# Allegro board HI3516ADMEB_VER_C_PCB.brd (continued)
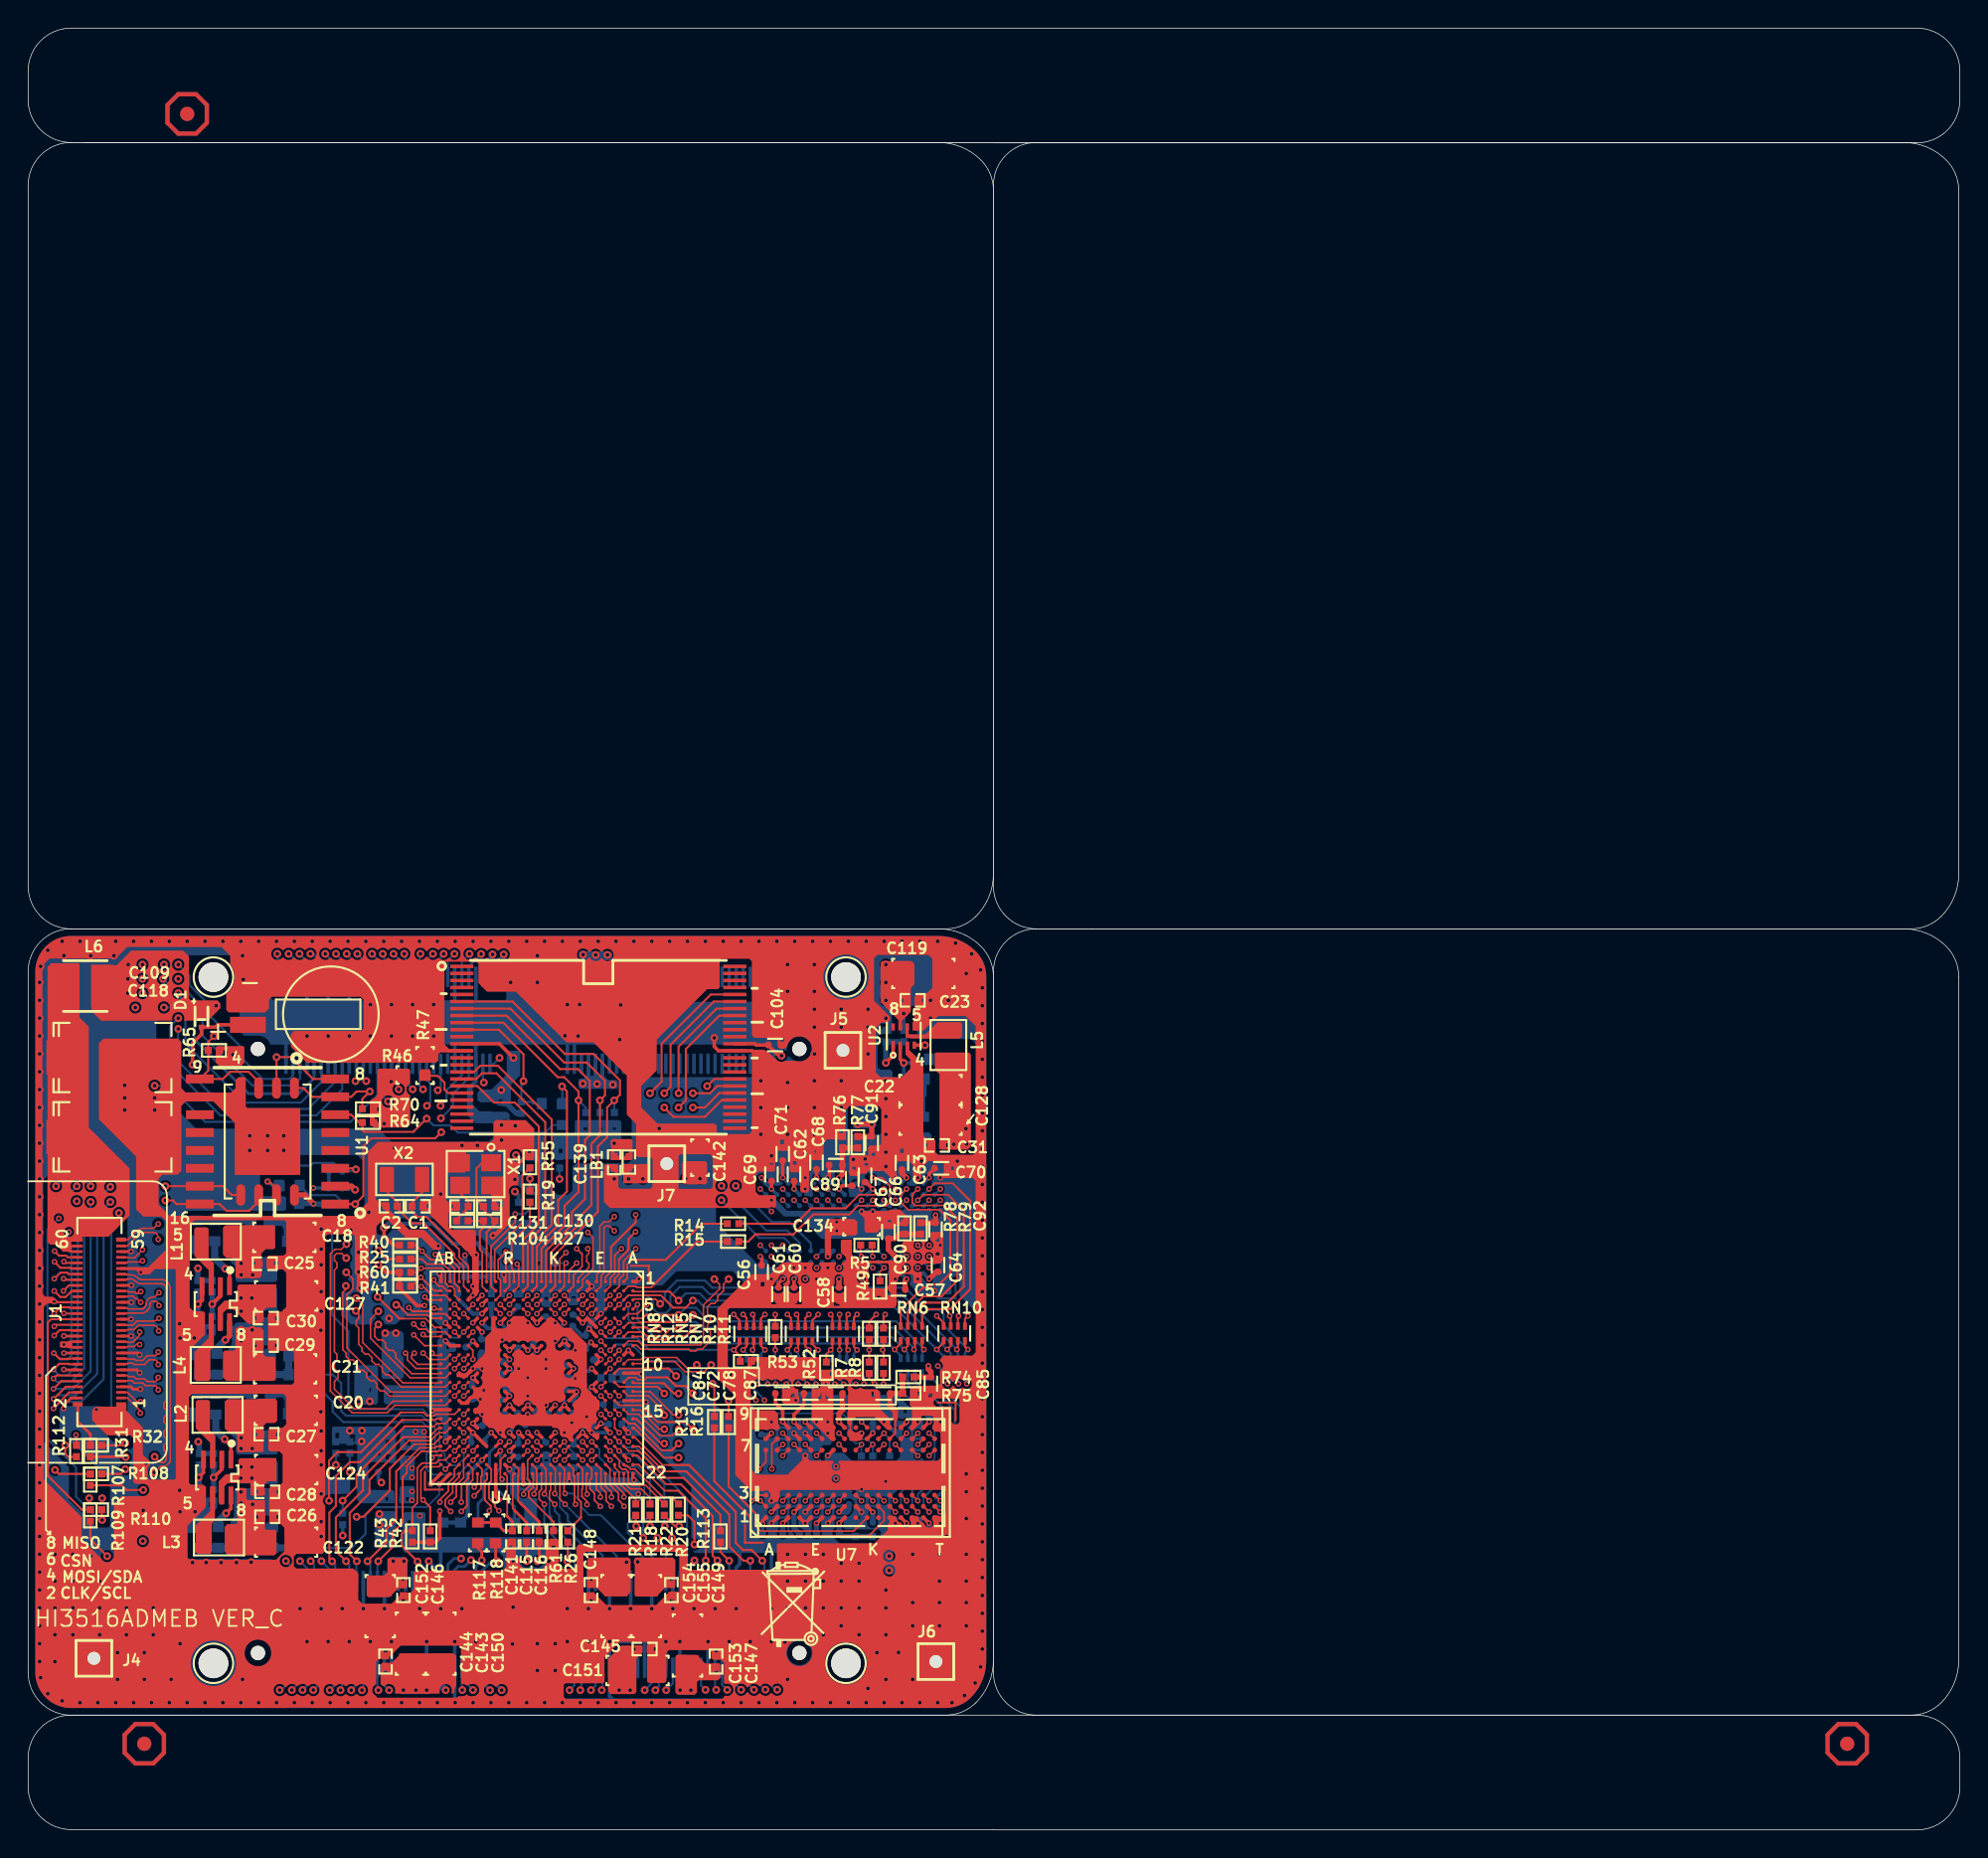
[diagram p0: board, top side]
## Routing (per net, layer and track width the routed paths; a pad name or vN(x,y) marks a point on that pad's centre or on a via; arc(x,y) is an arc through that point) (continued)
MIPI0_D2M/VI_DAT6: length 33.4
  TOP w0.114: v1(24.89,35.91) 24.63,35.65 24.63,35.06 24.88,34.81 25.18,34.81 25.4,34.6 25.4,34.29 25.61,34.08 25.91,34.08 26.13,33.86 26.13,33.56 27.27,32.42 29.3,32.42 U4.AB11 ; J1.27 7.05,35.49 7.11,35.56 7.54,35.56 7.85,35.86 8.86,35.86 arc(9.15,35.74) v2(9.27,35.46)
  ART06 w0.102: v1(24.89,35.91) 24.89,36.22 24.79,36.32 24.28,36.32 23.98,36.01 23.48,36.01 23.33,35.86 23.07,35.86 22.92,36.01 22.67,36.01 22.51,35.86 22.26,35.86 22.11,36.01 21.85,36.01 21.7,35.86 21.45,35.86 21.29,36.01 20.35,36.01 20.18,35.84 19.95,35.84 19.77,36.01 19.54,36.01 19.36,35.84 19.13,35.84 18.96,36.01 18.65,36.01 arc(18.46,36.05) 18.29,36.16 18.27,36.18 arc(18.16,36.35) 18.12,36.54 18.12,37.03 arc(18.28,37.4) 18.64,37.55 18.94,37.55 arc(18.97,37.56) 19,37.58 arc(19,37.58) 19,37.58 19.01,37.58 arc(19.01,37.58) 19.01,37.58 arc(19.01,37.58) 19.01,37.58 19.05,37.63 arc(19.09,37.68) 19.1,37.74 19.1,38.24 arc(19.09,38.32) 19.04,38.39 18.93,38.5 arc(18.87,38.54) 18.79,38.55 17.46,38.55 arc(17.36,38.53) 17.27,38.48 16.93,38.14 arc(16.87,38.05) 16.85,37.95 16.85,37.67 arc(16.8,37.42) 16.66,37.21 16.57,37.12 arc(16.39,37) 16.18,36.95 16.17,36.95 arc(16.1,36.94) 16.03,36.89 16,36.86 arc(15.97,36.82) 15.96,36.78 15.96,36.59 arc(15.92,36.38) 15.8,36.19 15.8,36.19 arc(15.6,36.06) 15.37,36.01 14.94,36.01 arc(14.72,36.06) 14.54,36.18 14.48,36.24 14.25,36.47 13.99,36.47 13.81,36.29 13.56,36.29 13.38,36.47 13.07,36.47 12.9,36.29 12.64,36.29 12.46,36.47 12.1,36.47 11.92,36.29 11.66,36.29 11.49,36.47 10.44,36.47 arc(10.18,36.42) 9.96,36.27 9.27,35.58 v2(9.27,35.46)
MIPI0_D2P/VI_DAT7: length 33.5
  TOP w0.114: U4.AA11 29.66,32.13 27.15,32.13 24.34,34.94 24.34,36.3 v1(24.89,36.85) ; J1.29 7.03,35.89 7.06,35.86 7.44,35.86 7.73,36.15 8.84,36.15 arc(9.09,36.2) v2(9.3,36.34)
  ART06 w0.102: v2(9.3,36.34) 9.6,36.34 9.75,36.49 arc(10.06,36.7) 10.44,36.78 14.38,36.78 14.76,36.39 arc(14.84,36.34) 14.93,36.32 15.37,36.32 arc(15.48,36.34) 15.58,36.41 arc(15.64,36.49) 15.66,36.59 15.66,36.78 arc(15.69,36.94) 15.78,37.08 15.82,37.11 arc(15.98,37.22) 16.17,37.26 arc(16.27,37.28) 16.36,37.33 16.45,37.43 arc(16.52,37.54) 16.55,37.67 16.55,37.95 arc(16.59,38.17) 16.71,38.35 17.06,38.69 arc(17.24,38.82) 17.46,38.86 18.79,38.86 arc(18.98,38.82) 19.15,38.71 19.26,38.6 arc(19.37,38.44) 19.41,38.24 19.41,37.74 arc(19.37,37.57) 19.27,37.42 19.22,37.36 arc(19.09,37.28) 18.94,37.25 18.64,37.25 arc(18.49,37.18) 18.43,37.03 18.43,36.54 arc(18.44,36.47) 18.49,36.4 18.51,36.38 arc(18.57,36.33) 18.65,36.32 23.85,36.32 24.16,36.63 24.67,36.63 v1(24.89,36.85)
MIPI0_D3M/VI_DAT2: length 33.7
  TOP w0.114: U4.W9 v2(30.96,33.43) ; v2(9.25,33.07) 9.25,33.1 arc(9.16,33.32) 8.94,33.41 8.6,33.41 8.26,33.07 7.54,33.07 7.45,33.16 7.07,33.16 7.01,33.09 J1.15
  ART06 w0.102: v2(30.96,33.43) 30.75,33.64 30.75,33.94 30.45,34.25 29.69,34.25 arc(29.44,34.3) 29.23,34.44 29.2,34.47 arc(28.84,34.71) 28.41,34.8 17.85,34.8 17.78,34.87 17.73,34.99 17.73,35.79 arc(17.58,36.15) 17.22,36.29 17.05,36.29 arc(16.69,36.15) 16.55,35.79 16.55,34.78 16.36,34.59 15.96,34.59 arc(15.76,34.55) 15.6,34.44 15.51,34.36 arc(15.48,34.33) 15.44,34.31 15.37,34.28 arc(15.33,34.27) 15.29,34.26 13.91,34.26 arc(13.83,34.28) 13.76,34.33 13.58,34.5 arc(13.54,34.57) 13.52,34.66 13.52,35.28 arc(13.37,35.64) 13.01,35.79 12.84,35.79 arc(12.48,35.64) 12.33,35.28 12.33,34.73 arc(12.32,34.64) 12.27,34.57 12.18,34.49 arc(12.17,34.48) 12.16,34.47 arc(12.1,34.44) 12.03,34.43 10.72,34.43 arc(10.57,34.46) 10.44,34.54 10.42,34.56 arc(10,34.84) 9.52,34.94 9.17,34.94 arc(8.89,34.88) 8.66,34.73 arc(8.59,34.64) 8.53,34.54 arc(8.47,34.37) 8.45,34.19 8.45,33.84 arc(8.59,33.51) 8.92,33.37 9.02,33.37 arc(9.18,33.31) 9.25,33.14 v2(9.25,33.07)
MIPI0_D3P/VI_DAT3: length 33.7
  TOP w0.114: J1.17 7.02,33.49 7.06,33.45 7.57,33.45 7.66,33.36 8.14,33.36 8.48,33.7 8.98,33.7 8.98,33.7 8.99,33.7 arc(9.17,33.78) v2(9.25,33.96) ; U4.Y9 v2(30.31,33.43)
  ART06 w0.102: v2(9.25,33.96) 9.25,33.91 arc(9.18,33.74) 9.02,33.68 8.92,33.68 arc(8.8,33.72) 8.76,33.84 8.76,34.19 arc(8.77,34.31) 8.81,34.42 8.81,34.42 arc(8.84,34.47) 8.88,34.51 arc(9.01,34.6) 9.17,34.63 9.52,34.63 arc(9.89,34.56) 10.2,34.35 10.22,34.33 arc(10.45,34.18) 10.72,34.12 10.91,34.12 11.07,33.97 11.39,33.97 11.54,34.12 12.03,34.12 arc(12.19,34.15) 12.34,34.22 arc(12.37,34.25) 12.4,34.27 12.48,34.36 arc(12.6,34.53) 12.64,34.73 12.64,35.28 arc(12.7,35.42) 12.84,35.48 13.01,35.48 arc(13.15,35.42) 13.21,35.28 13.21,34.66 arc(13.25,34.46) 13.37,34.29 13.55,34.11 arc(13.72,34) 13.91,33.96 15.29,33.96 arc(15.39,33.97) 15.49,34 15.56,34.03 arc(15.65,34.08) 15.73,34.14 15.82,34.23 arc(15.88,34.27) 15.96,34.29 16.4,34.29 arc(16.48,34.3) 16.54,34.35 16.79,34.59 arc(16.83,34.66) 16.85,34.74 16.85,35.79 arc(16.91,35.93) 17.05,35.99 17.22,35.99 arc(17.36,35.93) 17.42,35.79 17.42,34.97 arc(17.43,34.93) 17.44,34.89 17.5,34.73 arc(17.52,34.7) 17.55,34.67 17.66,34.55 arc(17.73,34.51) 17.81,34.49 18.62,34.49 18.8,34.31 19.08,34.31 19.25,34.49 19.53,34.49 19.71,34.31 19.99,34.31 20.17,34.49 20.45,34.49 20.62,34.31 20.9,34.31 21.08,34.49 21.36,34.49 21.54,34.31 21.82,34.31 22,34.49 22.28,34.49 22.45,34.31 22.73,34.31 22.91,34.49 23.19,34.49 23.37,34.31 23.65,34.31 23.82,34.49 24.1,34.49 24.28,34.31 24.56,34.31 24.74,34.49 25.02,34.49 25.2,34.31 25.48,34.31 25.65,34.49 25.93,34.49 26.11,34.31 26.39,34.31 26.57,34.49 26.97,34.49 27.12,34.34 27.43,34.34 27.58,34.49 28.41,34.49 arc(28.72,34.43) 28.98,34.25 29.01,34.22 arc(29.33,34.01) 29.69,33.94 30.32,33.94 30.44,33.82 30.44,33.57 v2(30.31,33.43)
MIPI1_CKM/VI_DAT13: length 42.3
  TOP w0.114: U4.W13 v2(30.96,30.83) ; v1(8.97,25.4) 9.4,25.83 9.77,25.83 10.1,26.15 10.1,38.44 arc(10.04,38.7) 9.9,38.93 arc(9.7,39.06) 9.47,39.1 8.06,39.1 arc(7.95,39.12) 7.85,39.19 arc(7.56,39.38) 7.22,39.45 7.03,39.45 6.99,39.49 J1.47
  ART06 w0.102: v1(8.97,25.4) 9.38,25.81 14.42,25.81 14.91,26.3 17.53,26.3 arc(17.99,26.39) 18.38,26.65 20.31,28.58 arc(20.64,28.8) 21.03,28.88 24.65,28.88 25.64,29.87 arc(26.04,30.14) 26.52,30.24 30.36,30.24 v2(30.96,30.83)
MIPI1_CKP/VI_DAT12: length 42.2
  TOP w0.114: U4.Y13 v2(30.31,30.83) ; J1.45 7.01,39.09 7.08,39.16 7.22,39.16 arc(7.45,39.11) 7.64,38.98 arc(7.83,38.85) 8.06,38.81 9.47,38.81 arc(9.59,38.79) 9.69,38.72 arc(9.77,38.59) 9.8,38.44 9.8,30.47 9.65,30.32 9.65,29.97 9.8,29.82 9.8,29.47 9.65,29.32 9.65,28.98 9.8,28.82 9.8,28.48 9.65,28.33 9.65,27.98 9.8,27.83 9.8,27.48 9.65,27.33 9.65,26.99 9.8,26.83 9.8,26.27 9.65,26.12 9.38,26.12 v1(8.99,26.52)
  ART06 w0.102: v1(8.99,26.52) 9.39,26.12 9.71,26.12 9.88,26.29 10.17,26.29 10.34,26.12 10.62,26.12 10.8,26.29 11.08,26.29 11.25,26.12 11.54,26.12 11.71,26.29 12,26.29 12.17,26.12 12.45,26.12 12.62,26.29 12.91,26.29 13.08,26.12 13.31,26.12 13.46,26.26 13.85,26.26 14,26.12 14.29,26.12 14.78,26.6 17.53,26.6 arc(17.87,26.67) 18.17,26.87 20.09,28.79 arc(20.52,29.08) 21.03,29.18 21.71,29.18 21.92,29.39 22.17,29.39 22.37,29.18 22.63,29.18 22.83,29.39 23.08,29.39 23.29,29.18 23.54,29.18 23.74,29.39 24,29.39 24.2,29.18 24.52,29.18 25.42,30.09 arc(25.93,30.42) 26.52,30.54 30.01,30.54 30.23,30.76 30.23,30.76 v2(30.31,30.83)
MIPI1_D0M/VI_DAT15: length 41.5
  TOP w0.114: v1(22.58,38.66) 22.58,38.42 22.36,38.21 22.36,34.12 22.6,33.89 22.6,33.63 22.84,33.39 23.09,33.39 23.33,33.15 23.33,32.9 23.57,32.66 23.83,32.66 24.07,32.42 24.07,32.17 24.31,31.93 24.56,31.93 24.8,31.69 24.8,31.43 25.04,31.2 25.29,31.2 25.66,30.82 29.65,30.82 U4.AA13 ; J1.53 7.06,40.69 7.1,40.65 7.56,40.65 v2(8.13,41.22)
  ART06 w0.102: v1(22.58,38.66) 22.58,38.91 22.39,39.1 21.99,39.1 21.77,38.88 21.53,38.88 21.32,39.1 20.9,39.1 arc(20.67,39.15) 20.46,39.28 19.6,40.15 arc(19.48,40.32) 19.44,40.52 19.44,41.4 arc(19.38,41.54) 19.24,41.6 19.01,41.6 arc(18.87,41.54) 18.81,41.4 18.81,40.71 arc(18.66,40.35) 18.29,40.19 18.07,40.19 arc(17.7,40.35) 17.55,40.71 17.55,41.55 arc(17.49,41.7) 17.35,41.76 17.13,41.76 arc(16.99,41.7) 16.93,41.55 16.93,40.59 arc(16.78,40.22) 16.41,40.07 16.25,40.07 arc(15.88,40.22) 15.72,40.59 15.72,41.55 arc(15.67,41.7) 15.52,41.76 14.75,41.76 arc(14.61,41.7) 14.55,41.55 14.55,40.89 arc(14.4,40.52) 14.03,40.37 13.9,40.37 arc(13.7,40.41) 13.53,40.52 13.46,40.59 arc(13.46,40.59) 13.46,40.59 arc(13.37,40.72) 13.34,40.88 13.34,41.27 arc(13.28,41.42) 13.14,41.48 12.98,41.48 arc(12.83,41.42) 12.77,41.27 12.77,40.93 arc(12.74,40.77) 12.65,40.64 arc(12.65,40.64) 12.65,40.63 12.63,40.62 arc(12.43,40.48) 12.19,40.43 12.15,40.43 arc(11.92,40.48) 11.72,40.62 11.7,40.63 arc(11.69,40.64) 11.68,40.66 arc(11.6,40.78) 11.57,40.92 11.57,41.04 arc(11.57,41.06) 11.57,41.08 arc(11.5,41.18) 11.39,41.22 11.07,41.22 10.87,41.02 10.56,41.02 10.36,41.22 10.06,41.22 9.85,41.02 9.55,41.02 9.34,41.22 9.04,41.22 arc(8.81,41.27) 8.61,41.4 arc(8.53,41.46) 8.43,41.48 8.36,41.48 arc(8.19,41.41) 8.13,41.25 v2(8.13,41.22)
MIPI1_D0P/VI_DAT14: length 41.5
  TOP w0.114: v1(22.61,39.62) 23.08,39.15 23.08,38.45 22.66,38.03 22.66,34.24 25.25,31.65 25.78,31.12 29.29,31.12 U4.AB13 ; v2(8.13,40.43) 8.05,40.36 7.09,40.36 7.02,40.29 J1.51
  ART06 w0.102: v1(22.61,39.62) 22.39,39.41 20.9,39.41 arc(20.78,39.43) 20.68,39.5 19.81,40.37 arc(19.76,40.44) 19.75,40.52 19.75,41.4 arc(19.6,41.76) 19.24,41.91 19.01,41.91 arc(18.65,41.76) 18.5,41.4 18.5,40.71 arc(18.44,40.56) 18.29,40.5 18.07,40.5 arc(17.92,40.56) 17.86,40.71 17.86,41.55 arc(17.71,41.91) 17.35,42.06 17.13,42.06 arc(16.78,41.91) 16.63,41.55 16.63,40.59 arc(16.56,40.43) 16.41,40.37 16.25,40.37 arc(16.09,40.43) 16.03,40.59 16.03,41.55 arc(15.88,41.91) 15.52,42.06 14.75,42.06 arc(14.39,41.91) 14.25,41.55 14.25,40.89 arc(14.18,40.74) 14.03,40.68 13.9,40.68 arc(13.81,40.69) 13.75,40.74 13.68,40.8 arc(13.68,40.8) 13.68,40.8 arc(13.66,40.84) 13.65,40.88 13.65,41.27 arc(13.5,41.63) 13.14,41.78 12.98,41.78 arc(12.62,41.63) 12.47,41.27 12.47,40.96 arc(12.45,40.89) 12.41,40.83 arc(12.31,40.76) 12.19,40.74 12.15,40.74 arc(12.03,40.76) 11.93,40.83 arc(11.87,40.93) 11.85,41.04 11.85,41.14 arc(11.82,41.27) 11.75,41.38 11.75,41.38 arc(11.58,41.49) 11.39,41.53 9.15,41.53 arc(8.98,41.56) 8.83,41.65 arc(8.69,41.75) 8.53,41.78 8.24,41.78 arc(7.87,41.63) 7.72,41.26 7.72,40.84 arc(7.84,40.55) v2(8.13,40.43)
MIPI1_D1M/VI_DAT11: length 40.2
  TOP w0.114: v2(8,38.25) 7.87,38.12 7.7,38.12 7.59,38.22 7.14,38.22 7.07,38.29 J1.41 ; U4.Y12 v2(30.31,31.48)
  ART06 w0.102: v2(8,38.25) 7.95,38.2 6.75,38.2 arc(6.4,38.13) 6.11,37.93 arc(5.94,37.68) 5.88,37.38 5.88,29.51 arc(5.91,29.35) 5.98,29.2 arc(6.01,29.17) 6.03,29.14 7.83,27.35 arc(8.19,27.11) 8.61,27.02 10.36,27.02 arc(10.79,27.11) 11.14,27.35 11.99,28.19 arc(12.19,28.32) 12.42,28.37 18.39,28.37 arc(18.59,28.41) 18.76,28.52 20.34,30.1 arc(20.47,30.19) 20.62,30.22 20.92,30.22 arc(21.13,30.18) 21.31,30.06 arc(21.47,29.95) 21.67,29.91 22.22,29.91 arc(22.42,29.95) 22.59,30.06 22.67,30.14 arc(22.78,30.31) 22.82,30.51 22.82,30.79 arc(22.84,30.86) 22.88,30.93 22.9,30.95 arc(22.97,31) 23.05,31.01 28.81,31.01 arc(29.11,31.07) 29.36,31.24 29.57,31.44 arc(29.68,31.52) 29.81,31.54 30.25,31.54 v2(30.31,31.48)
MIPI1_D1P/VI_DAT10: length 40.2
  TOP w0.114: U4.W12 v2(30.96,31.48) ; J1.39 7.03,37.89 7.07,37.93 7.45,37.93 7.65,37.74 7.75,37.74 v2(8,37.49)
  ART06 w0.102: v2(30.96,31.48) 30.59,31.85 29.81,31.85 arc(29.56,31.8) 29.35,31.66 29.15,31.46 arc(28.99,31.35) 28.81,31.32 23.05,31.32 arc(22.85,31.28) 22.69,31.17 22.67,31.15 arc(22.56,30.98) 22.52,30.79 22.52,30.51 arc(22.52,30.5) 22.52,30.48 arc(22.49,30.42) 22.45,30.36 22.37,30.27 arc(22.3,30.23) 22.22,30.21 21.67,30.21 arc(21.66,30.21) 21.64,30.21 arc(21.57,30.24) 21.52,30.27 arc(21.25,30.46) 20.92,30.52 20.63,30.52 arc(20.36,30.47) 20.13,30.32 20,30.19 18.55,28.74 arc(18.48,28.69) 18.39,28.67 12.42,28.67 arc(12.07,28.6) 11.77,28.41 10.93,27.56 arc(10.67,27.39) 10.36,27.33 8.61,27.33 arc(8.3,27.39) 8.05,27.56 6.25,29.36 arc(6.24,29.37) 6.23,29.38 arc(6.2,29.44) 6.18,29.51 6.18,37.38 arc(6.22,37.56) 6.32,37.72 arc(6.52,37.85) 6.75,37.89 7.59,37.89 v2(8,37.49)
MIPI1_D2M: length 41.5
  TOP w0.114: v2(9.25,43.06) 9.05,42.86 arc(9,42.81) 8.94,42.78 arc(8.86,42.76) 8.79,42.75 8.25,42.75 arc(7.92,42.69) 7.64,42.5 7.09,41.94 J1.59 ; v1(22.62,41.63) 22.25,41.25 21.8,41.25 21.48,40.93 21.48,31.2 23.04,29.64 25.53,29.64 26.06,30.17 29.65,30.17 U4.AA14
  ART06 w0.102: v1(22.62,41.63) 22.37,41.37 21.87,41.37 21.07,42.17 20.56,42.17 19.62,43.11 14.47,43.11 arc(14.35,43.16) 14.3,43.28 14.3,43.41 arc(14.15,43.77) 13.79,43.91 13.51,43.91 arc(13.15,43.77) 13,43.41 13,42.82 arc(12.93,42.67) 12.78,42.61 12.62,42.61 arc(12.46,42.67) 12.4,42.82 12.4,43.41 arc(12.25,43.77) 11.89,43.91 11.73,43.91 arc(11.37,43.77) 11.22,43.41 11.22,42.98 arc(11.19,42.85) 11.12,42.74 arc(10.99,42.66) 10.85,42.63 9.67,42.63 v2(9.25,43.06)
MIPI1_D2P/VI_CLK: length 41.5
  TOP w0.114: J1.57 7.05,41.49 7.82,42.26 7.85,42.29 arc(8.04,42.42) 8.25,42.46 8.89,42.46 arc(9.01,42.43) 9.12,42.36 arc(9.21,42.22) 9.25,42.06 v2(9.25,41.96) ; U4.AB14 29.29,30.47 25.94,30.47 25.41,29.93 23.16,29.93 21.77,31.32 21.77,31.86 22.02,32.12 22.02,32.51 21.77,32.76 21.77,33.17 21.95,33.35 21.95,33.8 21.77,33.98 21.77,39.78 21.95,39.96 21.95,40.3 21.77,40.48 21.77,40.81 21.92,40.96 22.28,40.96 v1(22.61,40.64)
  ART06 w0.102: v1(22.61,40.64) 22.18,41.07 21.74,41.07 20.94,41.87 20.43,41.87 20.23,42.07 20.03,42.07 19.79,42.31 19.79,42.52 19.49,42.81 19.15,42.81 18.96,42.62 18.69,42.62 18.5,42.81 18.23,42.81 18.04,42.62 17.78,42.62 17.59,42.81 17.28,42.81 17.09,42.62 16.87,42.62 16.68,42.81 16.47,42.81 16.28,42.62 16.06,42.62 15.87,42.81 15.66,42.81 15.46,42.62 15.25,42.62 15.06,42.81 14.47,42.81 arc(14.13,42.95) 14,43.28 14,43.41 arc(13.94,43.55) 13.79,43.61 13.51,43.61 arc(13.36,43.55) 13.3,43.41 13.3,42.82 arc(13.15,42.45) 12.78,42.3 12.62,42.3 arc(12.25,42.45) 12.1,42.82 12.1,43.41 arc(12.04,43.55) 11.89,43.61 11.73,43.61 arc(11.58,43.55) 11.52,43.41 11.52,42.98 arc(11.48,42.73) 11.34,42.53 arc(11.11,42.38) 10.85,42.32 9.61,42.32 v2(9.25,41.96)
MIPI1_D3M/VI_DAT9: length 39.9
  TOP w0.114: v2(9.3,38.17) 9.06,37.94 arc(8.97,37.88) 8.86,37.86 arc(8.52,37.71) 8.38,37.37 8.38,37.36 arc(8.36,37.24) 8.29,37.14 8.22,37.07 arc(8.16,37.03) 8.09,37.02 7.1,37.02 7.03,37.09 J1.35 ; U4.AA12 29.65,31.47 26.52,31.47 25.65,32.34 25.6,32.34 25.41,32.34 25.17,32.59 25.17,32.83 24.92,33.08 24.86,33.08 24.68,33.08 24.43,33.32 24.43,33.56 24.19,33.81 24.13,33.81 23.95,33.81 23.72,34.03 23.72,34.27 23.49,34.5 23.49,35.67 23.32,35.85 23.32,36.17 23.49,36.35 23.49,36.68 v1(23.29,36.88)
  ART06 w0.102: v2(9.3,38.17) 9.3,38.12 arc(9.21,37.91) 8.99,37.82 arc(8.83,37.89) 8.76,38.05 8.76,39.61 arc(8.88,39.89) 9.15,40 9.49,40 arc(9.69,39.96) 9.86,39.85 arc(9.94,39.72) 9.97,39.57 9.97,37.77 arc(10.12,37.41) 10.48,37.26 10.78,37.26 arc(11.14,37.41) 11.29,37.77 11.29,38.97 arc(11.34,39.08) 11.45,39.13 11.81,39.13 arc(11.88,39.11) 11.94,39.08 arc(12,39.01) 12.03,38.91 12.03,38.33 arc(12.18,37.97) 12.53,37.82 12.73,37.82 arc(13.08,37.97) 13.23,38.33 13.23,38.83 arc(13.3,38.99) 13.45,39.05 13.7,39.05 arc(13.86,38.99) 13.92,38.83 13.92,38.78 arc(13.97,38.55) 14.09,38.36 14.09,38.36 arc(14.1,38.35) 14.11,38.34 arc(14.28,38.24) 14.48,38.2 14.64,38.2 arc(14.85,38.24) 15.03,38.36 15.15,38.48 15.2,38.53 arc(15.31,38.6) 15.44,38.63 16.1,38.63 arc(16.26,38.66) 16.4,38.75 16.96,39.32 arc(17.03,39.36) 17.12,39.38 19.13,39.38 arc(19.23,39.36) 19.32,39.3 19.84,38.78 arc(19.88,38.73) 19.89,38.67 19.89,37.93 arc(19.93,37.73) 20.04,37.56 20.05,37.56 arc(20.23,37.44) 20.45,37.39 20.85,37.39 arc(21.11,37.34) 21.32,37.19 21.44,37.08 arc(22.01,36.85) 22.58,37.08 arc(22.72,37.18) 22.89,37.21 arc(22.96,37.19) 23.02,37.15 v1(23.29,36.88)
MIPI1_D3P/VI_DAT8: length 40
  TOP w0.114: v1(23.32,37.79) 23.79,37.32 23.79,34.62 24.05,34.36 26.41,32 26.64,31.77 29.29,31.77 U4.AB12 ; J1.33 7.03,36.69 7.06,36.73 8.09,36.73 arc(8.27,36.76) 8.43,36.87 8.5,36.94 arc(8.63,37.13) 8.67,37.36 8.67,37.37 arc(8.73,37.51) 8.86,37.56 8.99,37.56 arc(9.21,37.47) v2(9.3,37.26)
  ART06 w0.102: v1(23.32,37.79) 23.09,37.57 arc(23.03,37.53) 22.96,37.51 22.9,37.51 arc(22.89,37.51) 22.89,37.51 arc(22.6,37.46) 22.37,37.3 arc(22.01,37.15) 21.65,37.3 21.54,37.41 arc(21.22,37.62) 20.85,37.7 20.45,37.7 arc(20.35,37.72) 20.26,37.77 20.26,37.78 arc(20.21,37.85) 20.19,37.93 20.19,38.67 arc(20.16,38.85) 20.06,38.99 19.53,39.52 arc(19.35,39.64) 19.13,39.68 17.12,39.68 arc(16.92,39.65) 16.75,39.53 16.18,38.97 arc(16.15,38.94) 16.1,38.94 15.44,38.94 arc(15.2,38.89) 14.99,38.75 14.94,38.7 14.82,38.58 arc(14.74,38.52) 14.64,38.5 14.48,38.5 arc(14.39,38.52) 14.31,38.58 arc(14.25,38.67) 14.22,38.78 14.22,38.83 arc(14.07,39.2) 13.7,39.35 13.45,39.35 arc(13.08,39.2) 12.93,38.83 12.93,38.33 arc(12.87,38.18) 12.73,38.12 12.53,38.12 arc(12.39,38.18) 12.33,38.33 12.33,38.91 arc(12.28,39.14) 12.13,39.32 arc(11.98,39.4) 11.81,39.43 11.45,39.43 arc(11.12,39.3) 10.99,38.97 10.99,37.77 arc(10.93,37.62) 10.78,37.56 10.48,37.56 arc(10.33,37.62) 10.27,37.77 10.27,39.57 arc(10.22,39.84) 10.07,40.07 arc(9.8,40.24) 9.49,40.31 9.15,40.31 arc(8.66,40.1) 8.46,39.61 8.46,38.05 arc(8.61,37.67) 8.99,37.51 arc(9.04,37.5) 9.08,37.48 v2(9.3,37.26)
MUTE: length 19.7
  TOP w0.127: U4.V22 31.93,24.58 v2(31.71,24.36)
  ART06 w0.127: v1(25.65,9.93) 27.64,11.91 27.64,13.59 28.78,14.73 28.78,16.38 30.2,17.8 30.2,20.83 31.17,21.8 31.17,23.82 v2(31.71,24.36)
  BOTTOM w0.152: J2.29 25.32,10.26 v1(25.65,9.93)
NF_ALE: length 20.2
  TOP w0.152: U9.17 31.85,53.36 32.26,53.77 33.27,53.77 36.75,50.29 36.75,43.03 35.51,41.78 35.51,38.63 U4.N2
NF_CLE: length 20.3
  TOP w0.152: U4.M1 35.83,41.62 37.21,43 37.21,50.48 33.39,54.3 32.14,54.3 31.7,53.86 U9.16
NF_CSN0: length 26
  TOP w0.152: U4.L1 36.48,41.31 38.13,42.95 38.13,44.35 39.12,45.34 v1(39.12,51.84) 39.12,52.47 38.1,53.49 37.64,53.49 33.77,57.36 U9.9
  BOTTOM w0.152: R68.1 39.62,51.33 v1(39.12,51.84)
NF_CSN1: length 10.1
  TOP w0.152: U9.10 33.46,56.86 35.2,55.12 v1(35.2,53.21)
  BOTTOM w0.152: R97.2 35.89,51.61 35.76,51.74 R67.1 35.05,53.06 v1(35.2,53.21)
NF_CSN1/SFC_CSN0: length 17
  TOP w0.152: v1(37.95,52.83) 38.29,52.49 38.29,45.36 37.67,44.74 37.67,42.97 36.16,41.46 36.16,38.63 U4.M2
  BOTTOM w0.152: R96.1 R97.1 37.97,52.8 v1(37.95,52.83)
NF_DQ0: length 25.3
  TOP w0.127: U4.N3 v2(35.51,37.98)
  TOP w0.152: v1(45.21,51.33) 45.87,50.67 48.1,50.67 49.3,51.86 U9.29
  ART06 w0.127: v1(45.21,51.33) 42.67,51.33 41.4,50.06 41.09,50.06 38.33,47.3 38.33,45.78 36.93,44.38 36.93,42.97 35.92,41.96 35.92,38.39 v2(35.51,37.98)
NF_DQ1: length 24.7
  TOP w0.127: U4.L4 v2(36.16,36.68)
  TOP w0.152: v1(47.24,51.33) 48.09,51.33 49.12,52.36 U9.30
  ART06 w0.127: v1(47.24,51.33) 45.26,49.35 43.48,49.35 42.32,48.18 41.43,48.18 39.5,46.25 39.5,45.33 38.28,44.11 38.28,42.67 36.96,41.35 36.96,39.52 36.82,39.38 36.82,37.34 v2(36.16,36.68)
NF_DQ2: length 25.8
  TOP w0.127: U4.K4 v2(37.46,36.68)
  TOP w0.152: U9.31 48.98,52.86 48.46,52.35 v1(47.24,52.35)
  ART06 w0.127: v1(47.24,52.35) 47.8,51.79 47.8,51.13 45.59,48.92 43.7,48.92 42.5,47.72 41.6,47.72 39.88,46 39.88,45.17 38.71,44 38.71,42.54 37.34,41.17 37.34,39.14 37.09,38.89 37.09,37.48 37.09,37.05 v2(37.46,36.68)
NF_DQ3: length 23.6
  TOP w0.127: U4.K3 v2(37.46,37.98)
  TOP w0.152: U9.32 48.77,53.36 v1(48.26,52.85)
  ART06 w0.127: v2(37.46,37.98) 37.46,38.63 37.72,38.88 37.72,41.04 39.24,42.56 39.24,43.99 40.26,45.01 40.26,45.74 41.71,47.19 42.57,47.19 43.83,48.46 45.77,48.46 48.26,50.95 v1(48.26,52.85)
NF_DQ4: length 29.3
  TOP w0.127: U4.L3 v2(36.16,37.33)
  TOP w0.152: U9.41 49.12,57.86 46.75,55.49 46.75,51.85 v1(46.23,51.33)
  ART06 w0.127: v1(46.23,51.33) 46.23,51.07 45.55,50.39 43.26,50.39 42.16,49.3 41.4,49.3 39.09,46.99 39.09,45.46 37.85,44.22 37.85,42.75 36.55,41.45 36.55,37.73 v2(36.16,37.33)
NF_DQ5: length 29.2
  TOP w0.127: U4.M3 v2(36.16,37.98)
  TOP w0.152: U9.42 48.93,58.36 46.23,55.66 v1(46.23,52.35)
  ART06 w0.127: v2(36.16,37.98) 36.22,38.04 36.22,41.7 37.39,42.87 37.39,44.3 38.71,45.62 38.71,47.15 41.24,49.68 41.78,49.68 42.88,50.77 45.39,50.77 45.72,51.1 45.72,51.84 v1(46.23,52.35)
NF_DQ6: length 30.9
  TOP w0.127: U4.M4 v2(35.51,37.33)
  TOP w0.152: v1(45.21,52.35) 45.66,52.79 45.66,55.79 48.73,58.86 U9.43
  ART06 w0.127: v1(45.21,52.35) 44.58,51.71 42.51,51.71 41.63,50.82 40.89,50.82 37.27,47.2 37.27,45.27 36.45,44.45 36.45,43.03 35.61,42.19 35.61,39.57 35.13,39.09 35.13,37.71 v2(35.51,37.33)
NF_DQ7: length 33
  TOP w0.127: U4.N4 v2(35.51,36.68)
  TOP w0.152: v1(44.2,52.35) 45.02,53.17 45.02,55.87 48.52,59.36 U9.44
  ART06 w0.127: v2(35.51,36.68) 34.87,37.32 34.87,39.34 35.28,39.75 35.28,42.42 35.99,43.13 35.99,44.55 36.89,45.45 36.89,48.85 40.39,52.35 v1(44.2,52.35)
NF_RDY0: length 29
  TOP w0.152: U4.K1 37.13,41.02 39.09,42.97 39.09,43.46 40.03,44.4 40.03,48.75 40.64,49.36 v1(40.64,51.84) 41,52.19 41,53.24 39.7,54.53 38.1,54.53 34.27,58.36 U9.7
  BOTTOM w0.152: R66.1 v1(40.64,51.84)
NF_RDY1: length 31.4
  TOP w0.152: U4.K2 37.46,38.63 37.46,40.89 40.49,43.91 40.49,48.56 41.15,49.22 41.15,51.33 v1(41.66,51.84) 42.06,52.25 42.06,53.26 40.18,55.14 38.15,55.14 34.43,58.86 U9.6
  BOTTOM w0.152: R69.1 v1(41.66,51.84)
NF_REN: length 27.4
  TOP w0.152: U4.L2 36.81,38.63 36.81,41.15 38.63,42.97 38.63,43.89 39.57,44.83 39.57,49.02 39.92,49.36 39.92,53.22 39.08,54.06 37.81,54.06 34.01,57.86 U9.8
NF_WEN: length 18.2
  TOP w0.152: U9.18 31.92,52.86 33.1,51.69 34.59,51.69 36.3,49.98 36.3,43.05 35.18,41.94 U4.N1
NF_WPN: length 3.4
  TOP w0.152: U9.19 29.84,52.36 29.6,52.61 29.6,53.1 29.12,53.58 R47.1
PER_RSTN: length 55
  TOP w0.152: R108.2 6.58,25.3 v1(6.91,25.63)
  ART03 w0.127: v1(6.91,25.63) 6.43,26.11 6.43,27.84 6.71,28.12 6.71,30.83 6.12,31.42 6.12,42.11 6.93,42.92 6.93,45.41 5.66,46.68 5.66,54.76 8.17,57.26 8.15,57.27 8.15,58.57 9.59,60 v1(9.59,60.47)
  BOTTOM w0.152: J3.5 19.32,53.39 18.83,52.91 15.93,52.91 12.4,56.44 12.4,58.46 10.88,59.97 10.09,59.97 v1(9.59,60.47)
POR_SEL: length 21.5
  TOP w0.127: U4.T3 33.57,37.99 33.57,39.07 33.41,39.22 33.41,40.52 v2(33.96,41.07)
  ART03 w0.127: v1(32.38,53.11) 34.21,53.11 37.03,50.29 37.03,44.85 33.96,41.78 v2(33.96,41.07)
  BOTTOM w0.152: v1(32.38,53.11) 32.32,53.17 J3.57
RGMII_RX_CLK: length 11.3
  TOP w0.127: U4.A21 43.38,25.96 45.24,24.1 45.59,24.1
  TOP w0.152: v1(48.16,19.14) 48.16,22.15 46.21,24.1 45.59,24.1
  BOTTOM w0.152: J2.102 48.32,18.98 v1(48.16,19.14)
RGMII_RX_DV: length 13
  TOP w0.127: U4.B18 v2(42.66,27.58)
  ART06 w0.127: v2(42.66,27.58) 42.66,26.93 42.26,26.54 42.26,26.04 42.75,25.55 43.03,25.55 46.79,21.79 46.79,19.71 47.02,19.48 47.02,19.48 v1(47.35,19.14)
  BOTTOM w0.152: J2.100 47.82,18.67 v1(47.35,19.14)
RGMII_RXD0: length 15.6
  TOP w0.127: U4.A18 43.11,27.91 45.09,25.93 45.59,25.93
  TOP w0.152: 45.59,25.93 46.96,25.93 50.29,22.6 50.29,20.39 50.8,19.89 51.41,19.89 v1(52.17,19.13)
  BOTTOM w0.152: J2.118 52.32,18.98 v1(52.17,19.13)
RGMII_RXD1: length 12.8
  TOP w0.127: U4.C18 v2(42.01,27.58)
  BOTTOM w0.152: v2(42.01,27.58) 42.42,27.18 43.21,27.18 46.82,23.56 J2.96
RGMII_RXD2: length 14.5
  TOP w0.127: 45.59,25.47 45.18,25.47 43.4,27.26 U4.A19
  TOP w0.152: 45.59,25.47 46.78,25.47 49.83,22.41 49.83,20.13 50.84,19.13 v1(51.32,19.13)
  BOTTOM w0.152: J2.114 v1(51.32,19.13)
RGMII_RXD3: length 12.3
  TOP w0.127: U4.A20 43.3,26.61 45.35,24.56 45.59,24.56
  TOP w0.152: 45.59,24.56 46.4,24.56 48.65,22.31 48.65,19.49 v1(48.99,19.14)
  BOTTOM w0.152: J2.106 49.32,18.82 49,19.14 v1(48.99,19.14)
RGMII_TX_CLK: length 17.3
  TOP w0.152: R18.1 v1(44.2,21.59)
  ART06 w0.127: v1(44.2,21.59) 44.2,20.57 45.21,19.56 45.21,19.14 47.82,16.53 48.77,16.53 49.33,15.97 49.33,15.49 50.47,14.34 50.47,10.16 v1(50.67,9.95)
  BOTTOM w0.152: J2.109 50.32,10.3 v1(50.67,9.95)
RGMII_TX_EN: length 17.5
  ART06 w0.127: v1(51.58,9.95) 50.85,10.69 50.85,14.5 49.71,15.64 49.71,16.25 48.92,17.04 47.91,17.04 45.75,19.2 45.75,19.84 45.24,20.34 v1(45.24,21.59)
  BOTTOM w0.152: v1(51.58,9.95) 50.82,10.71 J2.111 ; v1(45.24,21.59) 45.21,21.62 R24.1
RGMII_TXD0: length 19.1
  TOP w0.152: R20.1 46.89,22.35 47.35,21.88 v1(47.35,20.28)
  ART06 w0.127: v1(47.35,20.28) 49.77,20.28 50.75,19.3 50.75,16.63 52.32,15.06 52.32,10.88 v1(53.24,9.96)
  BOTTOM w0.152: v1(53.24,9.96) 53.1,9.96 52.32,10.74 J2.117
RGMII_TXD1: length 16.4
  TOP w0.152: v1(43.22,21.59) 43.18,21.63 R21.1
  ART06 w0.127: v1(43.22,21.59) 43.22,20.43 44.37,19.28 44.37,18.73 46.74,16.37 46.74,15.11 47.73,14.12 47.73,11.13 v1(48.9,9.95)
  BOTTOM w0.152: J2.103 48.82,10.03 v1(48.9,9.95)
